# Altium PCB VCO.PcbDoc (part 1 of 2)
Units mm, origin at the board's own origin, x right, y up, seen from the top; angles counter-clockwise.
Board outline 69 x 110 mm, 2 copper layers (Top Layer, Bottom Layer); 176 components, 113 nets, 516 pads, 774 vias.
Unrouted connection lines stored in the file: 1.
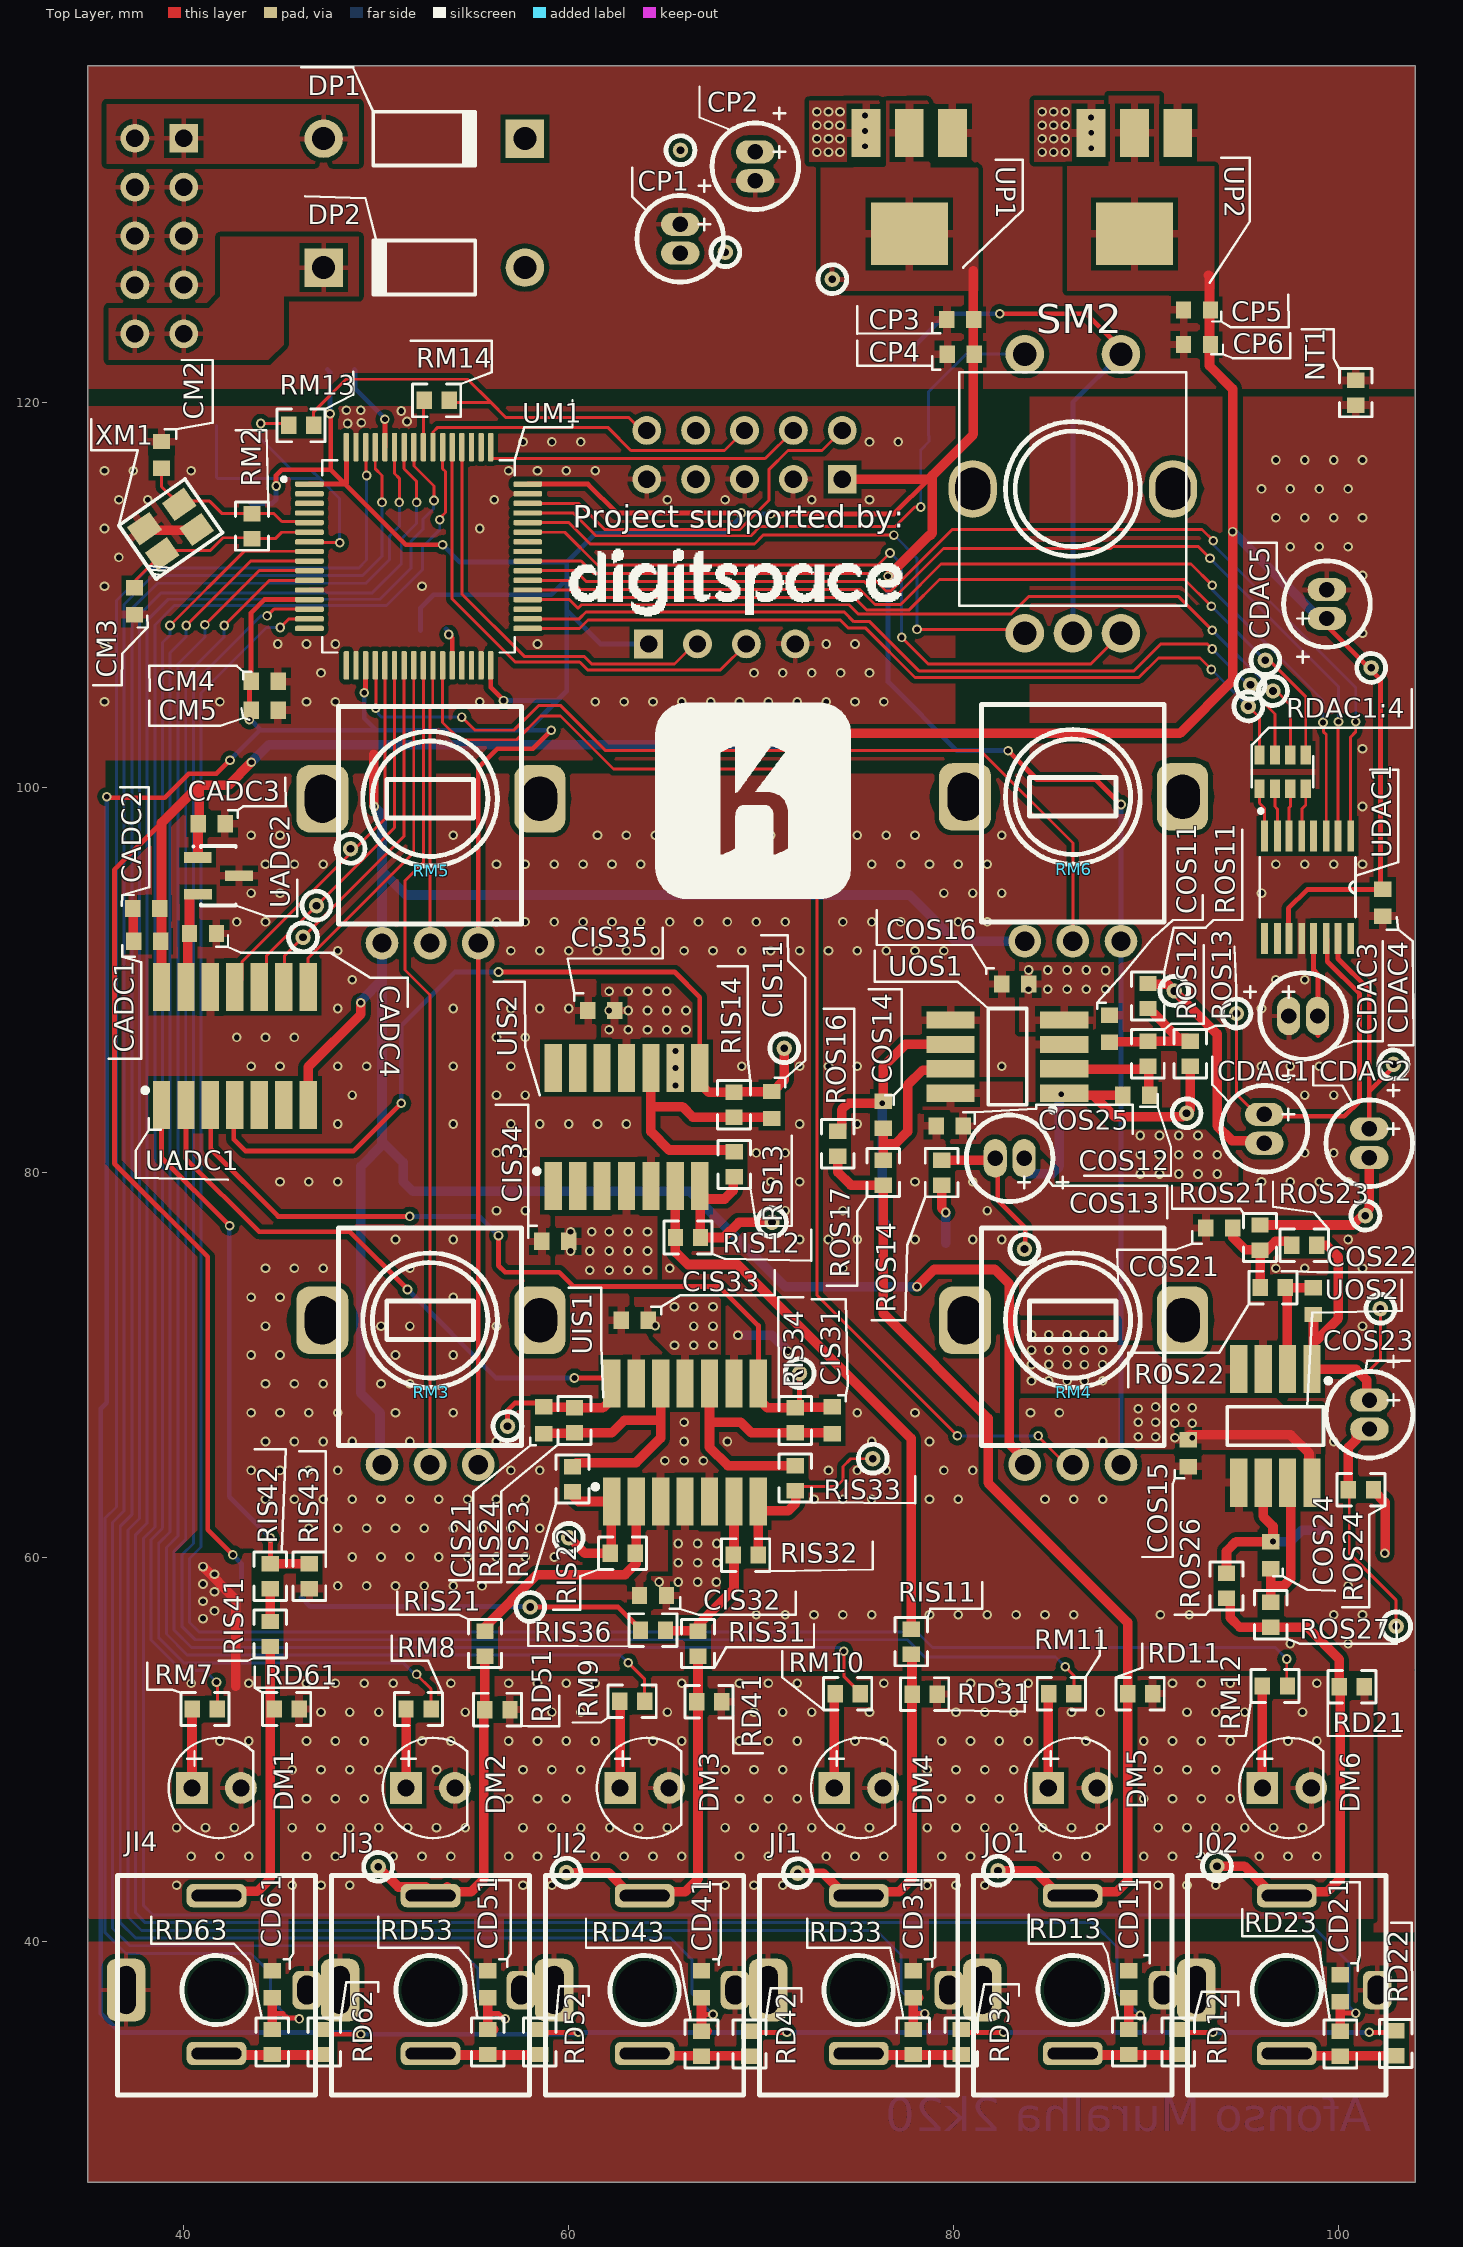
[diagram p0: Top Layer view]
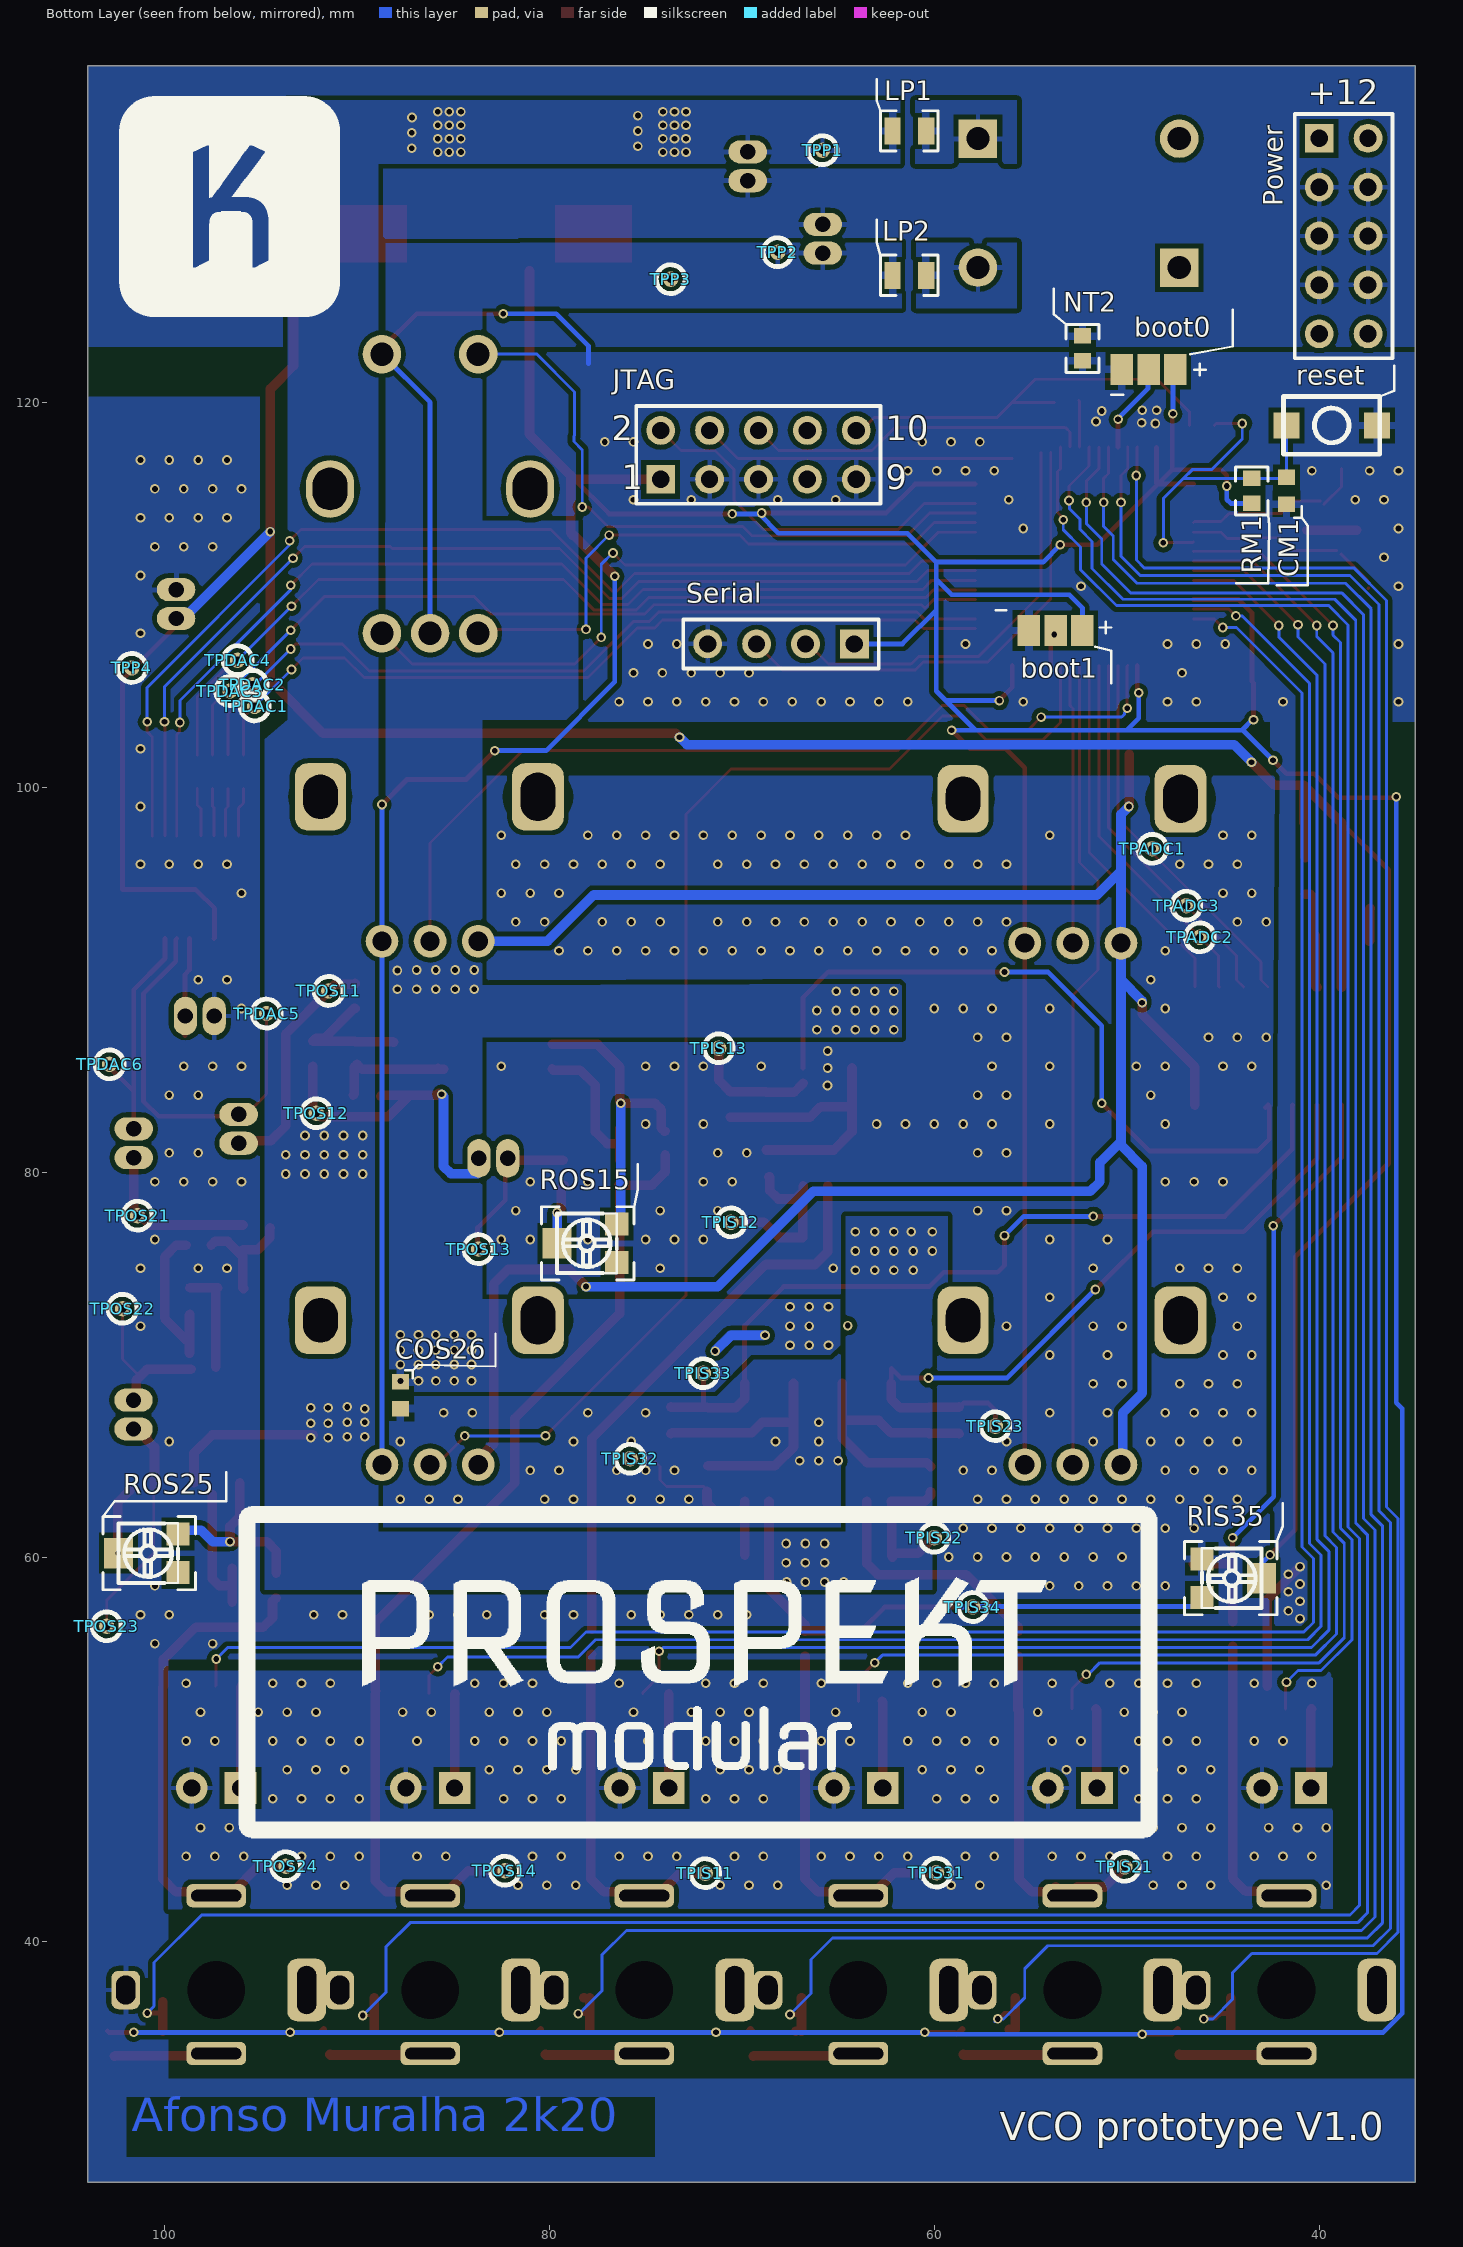
[diagram p1: Bottom Layer view, seen from below]
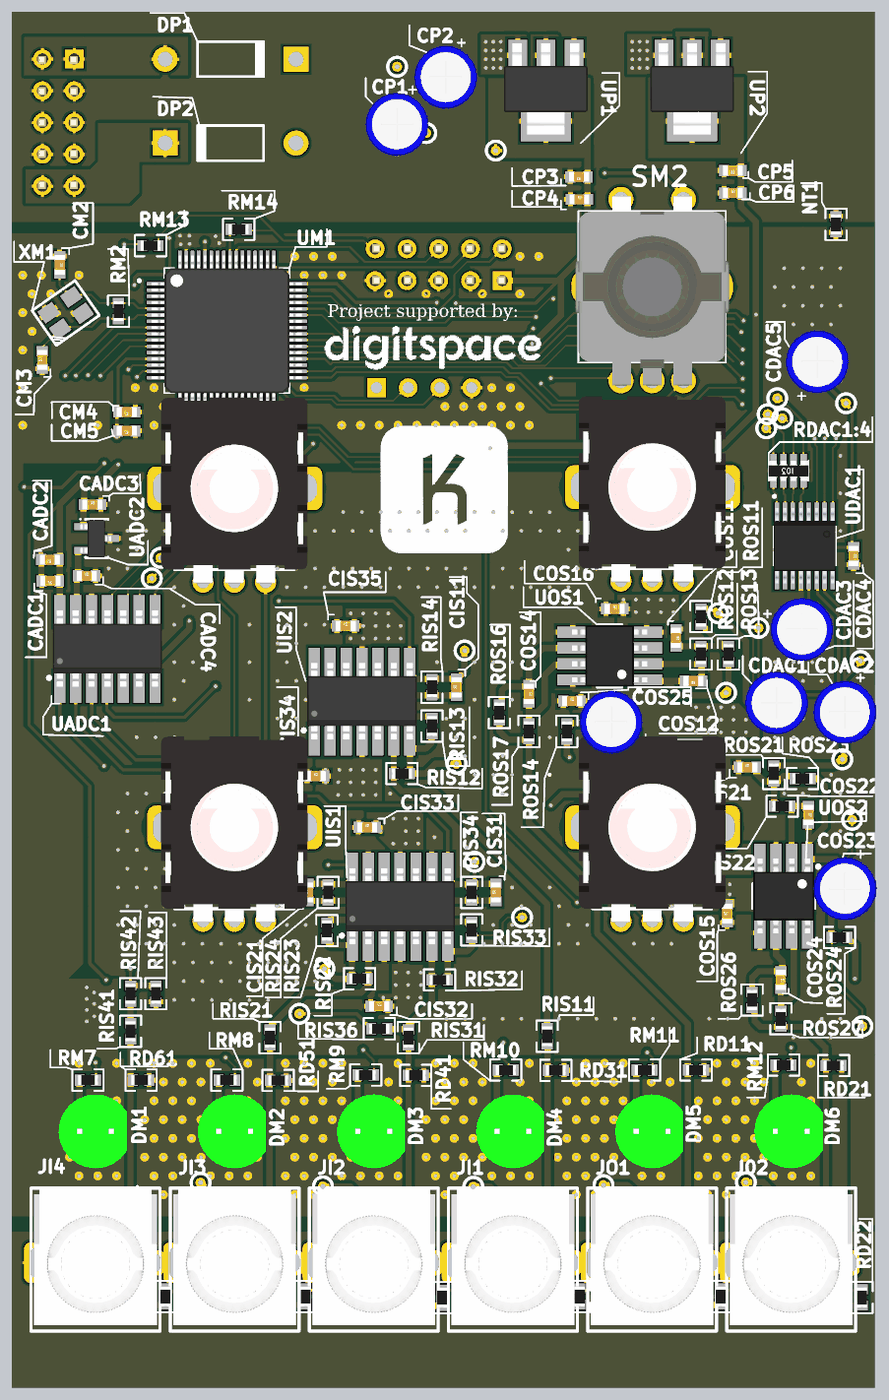
[diagram p3: 3D render of the assembled board from above, using the file's embedded part models]
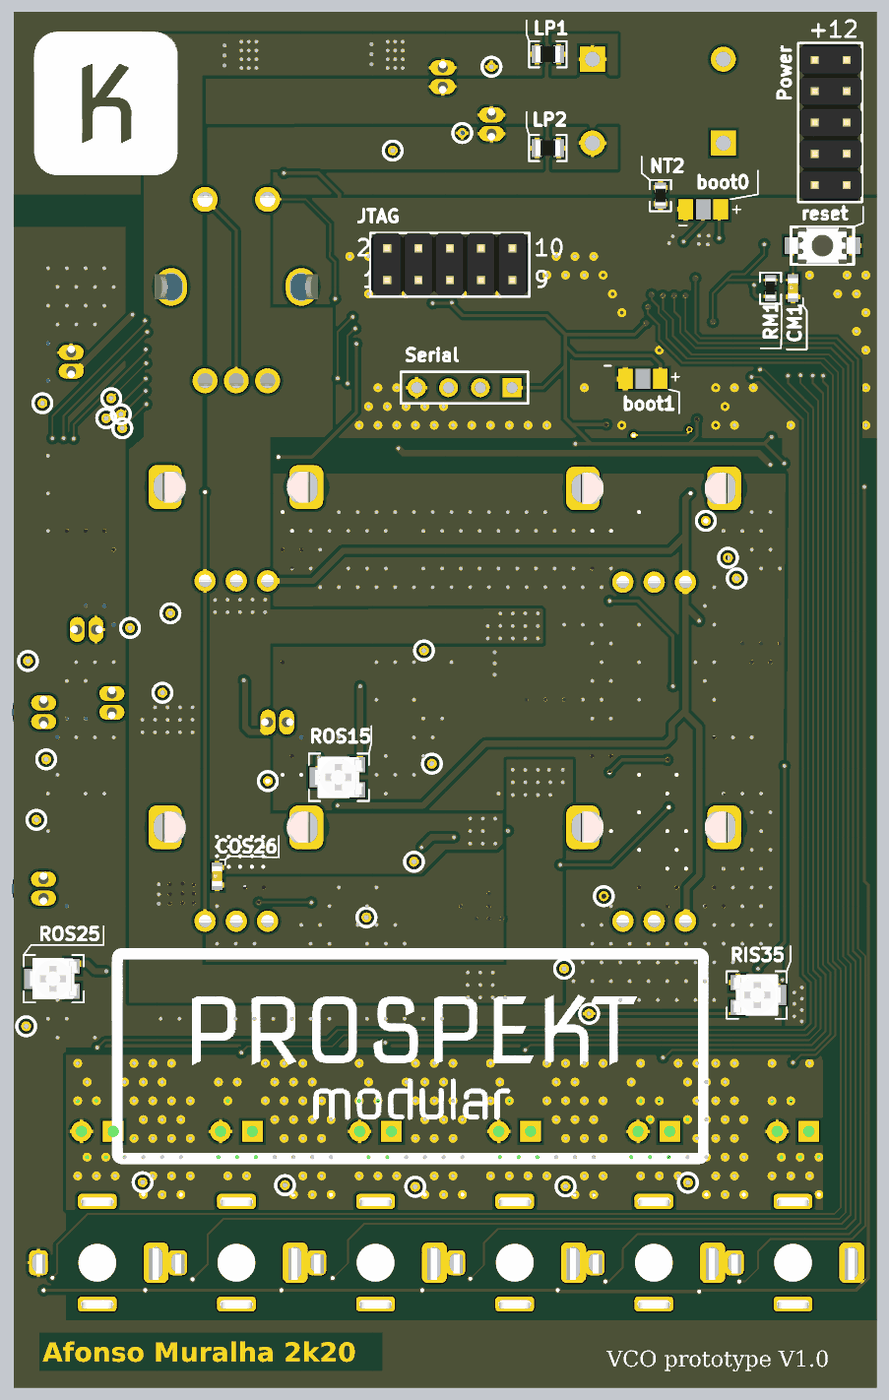
[diagram p4: 3D render of the assembled board from below, using the file's embedded part models]

## Layer stack, top to bottom
Top Solder: solder mask 0.0102, Solder Resist, Dk 3.5
Top Layer: signal copper 0.0356
Dielectric 1: dielectric 0.32, FR-4, Dk 4.8
Bottom Layer: signal copper 0.0356
Bottom Solder: solder mask 0.0102, Solder Resist, Dk 3.5

## Board outline
35,27.5 104,27.5 104,137.5 35,137.5

## Design rules (kind name [scope] priority, off if disabled: settings)
Clearance Clearance_1 [InPolygon] p1: gap=0.25 ignorepadtopadclearanceinfootprint=FALSE
Clearance [All] p2: gap=0.01 ignorepadtopadclearanceinfootprint=FALSE
ComponentClearance [All] p1: gap=0 collisioncheckmode=3 verticalgap=0 showdistances=FALSE
Height [All] p1: minheight=0 maxheight=1000 prefheight=0
PlaneConnect [All] p1: planeconnectstyle=Relief reliefexpansion=0.508 reliefentries=4 reliefconductorwidth=0.5 reliefairgap=0.125
PolygonConnect PolygonConnect_1 [All] p1: thpad.connectstyle=Relief thpad.reliefconductorwidth=0.254 thpad.reliefentries=4 thpad.polygonreliefangle="90 Angle" thpad.airgapwidth=0.254 smdpad.connectstyle=Relief smdpad.reliefconductorwidth=0.4 smdpad.reliefentries=4 smdpad.polygonreliefangle="90 Angle" smdpad.airgapwidth=0.254 via.connectstyle=Direct via.reliefconductorwidth=0.254 via.reliefentries=4 via.polygonreliefangle="90 Angle" via.airgapwidth=0.254
RoutingVias [All] p1: holewidth=0.711 width=1.27 viastyle="Through Hole" minholewidth=0.3 minwidth=0.5 maxholewidth=0.711 maxwidth=1.27
SolderMaskExpansion [All] p1: expansion=0.102
Width [All] p1: maxlimit=5 minlimit=0.152 preferedwidth=0.254
27 further rules are at their usual default settings.

## Classes and differential pairs
component class VCO_TOP: NT1 NT2
component class U_Power: CP1 CP2 CP3 CP4 CP5 CP6 DP1 DP2 LP1 LP2 Power TPP1 TPP2 TPP3 TPP4 UP1 UP2
component class U_Micro: boot0 boot1 CM1 CM2 CM3 CM4 CM5 DM1 DM2 DM3 DM4 DM5 DM6 JTAG reset RM1 RM2 RM3 RM4 RM5 RM6 RM7 RM8 RM9 RM10 RM11 RM12 RM13 RM14 Serial SM2 UM1 XM1
component class U_Interfaces: CD11 CD21 CD31 CD41 CD51 CD61 J02 JI1 JI2 JI3 JI4 JO1 RD11 RD12 RD13 RD21 RD22 RD23 RD31 RD32 RD33 RD41 RD42 RD43 RD51 RD52 RD53 RD61 RD62 RD63
component class U_Input_stages: CIS11 CIS21 CIS31 CIS32 CIS33 CIS34 CIS35 RIS11 RIS12 RIS13 RIS14 RIS21 RIS22 RIS23 RIS24 RIS31 RIS32 RIS33 RIS34 RIS35 RIS36 RIS41 RIS42 RIS43 TPIS11 TPIS12 TPIS13 TPIS21 TPIS22 TPIS23 TPIS31 TPIS32 TPIS33 TPIS34 UIS1 UIS2
component class U_DAC: CDAC1 CDAC2 CDAC3 CDAC4 CDAC5 RDAC1:4 TPDAC1 TPDAC2 TPDAC3 TPDAC4 TPDAC5 TPDAC6 UDAC1
component class U_ADC: CADC1 CADC2 CADC3 CADC4 TPADC1 TPADC2 TPADC3 UADC1 UADC2
component class U_Output_stages: COS11 COS12 COS13 COS14 COS15 COS16 COS21 COS22 COS23 COS24 COS25 COS26 ROS11 ROS12 ROS13 ROS14 ROS15 ROS16 ROS17 ROS21 ROS22 ROS23 ROS24 ROS25 ROS26 ROS27 TPOS11 TPOS12 TPOS13 TPOS14 TPOS21 TPOS22 TPOS23 TPOS24 UOS1 UOS2

## Components (designator, comment, footprint, x,y, rotation, side; value= is the part's Value field where it differs from the comment)
boot0 "2-Way Solder Jumper" SOLDERJUMPER_2WAY_OPEN_NOPASTE 48.869,121.7 r180 bottom (schematic designator SJM1)
boot1 "2-Way Solder Jumper" SOLDERJUMPER_2WAY_OPEN_NOPASTE 53.7,108.15 r180 bottom (schematic designator SJM2)
CADC1 "1u" "C 0603 / 1608" 38.098,92 r180 top
CADC2 "10u" "C 0603 / 1608" 38.049,93.7 r180 top
CADC3 "0.1u" "C 0603 / 1608" 41.449,98.1 r0 top
CADC4 "1u" "C 0603 / 1608" 41,92.4 r0 top
CD11 "Cap" "C 0603 / 1608" 89.1,37.8 r270 top value=0.1u
CD21 "Cap" "C 0603 / 1608" 100.1,37.6 r270 top value=0.1u
CD31 "Cap" "C 0603 / 1608" 77.9,37.8 r270 top value=0.1u
CD41 "Cap" "C 0603 / 1608" 66.9,37.8 r270 top value=0.1u
CD51 "Cap" "C 0603 / 1608" 55.8,37.8 r270 top value=0.1u
CD61 "Cap" "C 0603 / 1608" 44.6,37.8 r270 top value=0.1u
CDAC1 "Cap Pol1" C-RAD-4.5 96.15,82.25 r270 top value=4.7-10uF
CDAC2 "Cap Pol1" C-RAD-4.5 101.6,81.5 r270 top value=4.7-10uF
CDAC3 "Cap Pol1" C-RAD-4.5 98.165,88.113 r0 top value=10uF
CDAC4 "0.1u" "C 0603 / 1608" 102.3,94 r270 top
CDAC5 "Cap Pol1" C-RAD-4.5 99.4,109.518 r90 top value=10uF
CIS11 "Cap" "C 0603 / 1608" 70.56,83.487 r90 top value=1n
CIS21 "Cap" "C 0603 / 1608" 58.7,67.1 r90 top value=1n
CIS31 "Cap" "C 0603 / 1608" 73.7,67.1 r90 top value=1n
CIS32 "0.1u" "C 0603 / 1608" 64.382,58 r0 top
CIS33 "0.1u" "C 0603 / 1608" 63.427,72.3 r0 top
CIS34 "0.1u" "C 0603 / 1608" 59.3,76.4 r0 top
CIS35 "0.1u" "C 0603 / 1608" 61.7,88.4 r0 top
CM1 "100u" "C 0603 / 1608" 41.7,115.4 r90 bottom
CM2 "18pF" "C 0603 / 1608" 38.844,117.264 r270 top value=18p
CM3 "18pF" "C 0603 / 1608" 37.444,109.664 r90 top value=18p
CM4 "1u" "C 0603 / 1608" 44.2,105.5 r180 top
CM5 "10n" "C 0603 / 1608" 44.2,104 r180 top
COS11 "3.9n" "C 0603 / 1608" 88.1,87.45 r270 top
COS12 "1n" "C 0603 / 1608" 89.5,84 r180 top
COS13 "Cap Pol1" C-RAD-4.5 82.915,80.715 r180 top value=10u
COS14 "47p" "C 0603 / 1608" 76.349,82.974 r270 top
COS15 "0.1u" "C 0603 / 1608" 92.2,65.4 r90 top
COS16 "0.1u" "C 0603 / 1608" 83.2,89.771 r0 top
COS21 "3.9n" "C 0603 / 1608" 93.807,77.1 r0 top
COS22 "1n" "C 0603 / 1608" 98.692,73.3 r270 top
COS23 "Cap Pol1" C-RAD-4.5 101.611,67.4 r270 top value=10u
COS24 "47p" "C 0603 / 1608" 96.486,60.1 r270 top
COS25 "0.1u" "C 0603 / 1608" 79.8,82.4 r0 top
COS26 "0.1u" "C 0603 / 1608" 87.739,68.4 r90 bottom
CP1 "Cap Pol2" C-RAD-4.5 65.8,128.5 r270 top value=100pF
CP2 "Cap Pol2" C-RAD-4.5 69.7,132.265 r270 top value=100pF
CP3 "Cap Pol2" "C 0603 / 1608" 80.35,124.3 r180 top value=22u
CP4 "Cap" "C 0603 / 1608" 80.379,122.5 r0 top value=100n
CP5 "Cap Pol2" "C 0603 / 1608" 92.65,124.801 r180 top value=22u
CP6 "Cap" "C 0603 / 1608" 92.65,123.001 r0 top value=100n
DM1 "LED0" LED2-2.54-D5.0MM 41.7,48 r0 top
DM2 "LED0" LED2-2.54-D5.0MM 52.823,48 r0 top
DM3 "LED0" LED2-2.54-D5.0MM 63.946,48 r0 top
DM4 "LED0" LED2-2.54-D5.0MM 75.069,48 r0 top
DM5 "LED0" LED2-2.54-D5.0MM 86.192,48 r0 top
DM6 "LED0" LED2-2.54-D5.0MM 97.315,48 r0 top
DP1 "1N5819" DO-41 52.5,133.7 r0 top
DP2 "1N5819" DO-41 52.5,127 r180 top
J02 "PJ-301" PJ-301BM 97.315,37.5 r0 top locked
JI1 "PJ-301" PJ-301BM 75.069,37.5 r0 top locked
JI2 "PJ-301" PJ-301BM 63.946,37.5 r0 top locked
JI3 "PJ-301" PJ-301BM 52.823,37.5 r0 top locked
JI4 "PJ-301" PJ-301BM 41.7,37.5 r0 top locked
JO1 "PJ-301" PJ-301BM 86.192,37.5 r0 top locked